# Altium PCB TempdevAmmy1009.PcbDoc (part 4 of 4)
Units mm, origin at the board's own origin, x right, y up, seen from the top; angles counter-clockwise.
Board outline 80.31 x 100.3 mm, 2 copper layers (Top Layer, Bottom Layer); 948 components, 586 nets, 3088 pads, 189 vias.
Unrouted connection lines stored in the file: 1751.
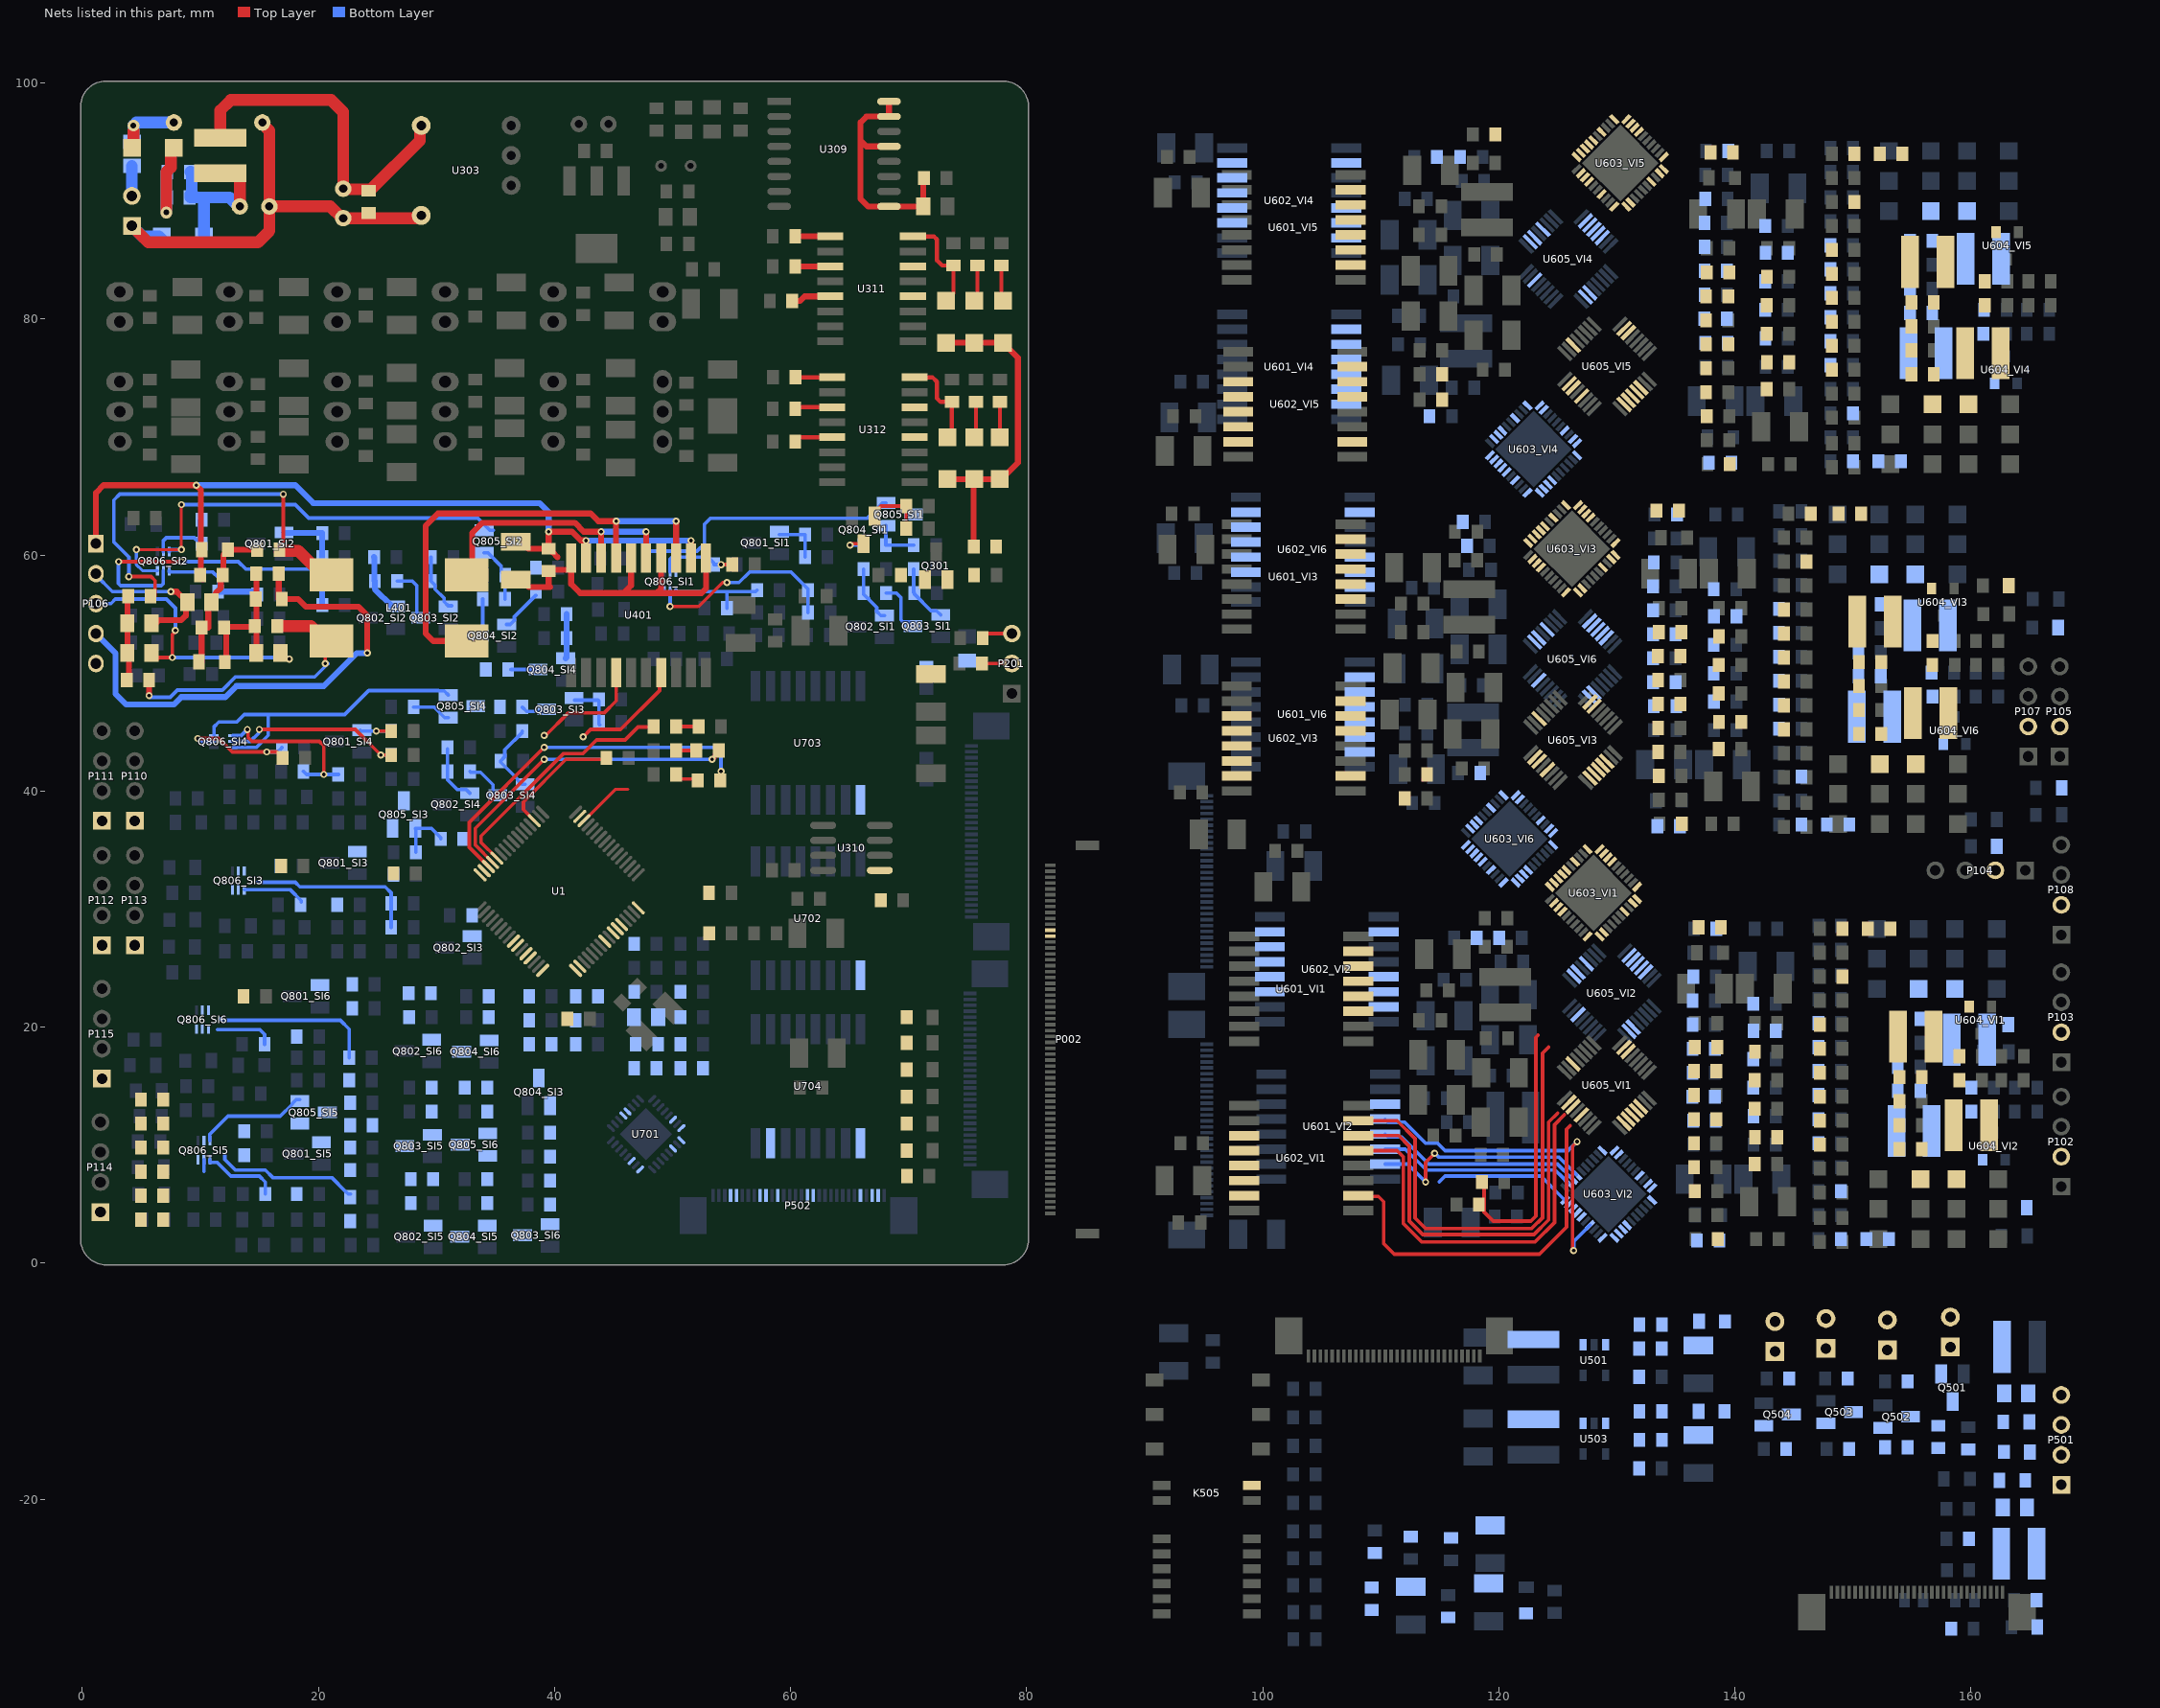
[diagram p4: the nets of this part, all layers, seen from the top]

## Via types
v1: diameter 0.5, hole 0.2, Top Layer to Bottom Layer, 96 vias
v2: diameter 0.6, hole 0.3, Top Layer to Bottom Layer, 79 vias
v3: diameter 0.5, hole 0.3, Top Layer to Bottom Layer, 9 vias
v4: diameter 1, hole 0.5, Top Layer to Bottom Layer, 5 vias

## Nets (pads, with @x,y where several pads share a name; then routed paths per layer and width w, separated by ;. In a path a pad name is that pad's centre, name@x,y a point inside that pad or via, vN(x,y) a via of type N, cw(c..) or ccw(c..) an arc to the next point about the centre after c; other vN are vias at no path point) (continued)
F\A\L\U\T\_VI4: R601_VI4.2 U601_VI4.10 U603_VI4.27
F\A\L\U\T\_VI5: R601_VI5.2 U601_VI5.10 U603_VI5.27
F\A\L\U\T\_VI6: R601_VI6.2 U601_VI6.10 U603_VI6.27
F\A\U\L\T\: D201.1 D202.1 D203.1 D204.1 D205.1 D206.1 R213.2 U1.46 | length 4.8
  Top Layer w0.254: U1.46@42.49,37.489 45.133,40.132 46.228,40.132
GPIO_0_VI1: R613_VI1.1 R616_VI1.2 U603_VI1.17
GPIO_0_VI2: R613_VI2.1 R616_VI2.2 U603_VI2.17
GPIO_0_VI3: R613_VI3.1 R616_VI3.2 U603_VI3.17
GPIO_0_VI4: R613_VI4.1 R616_VI4.2 U603_VI4.17
GPIO_0_VI5: R613_VI5.1 R616_VI5.2 U603_VI5.17
GPIO_0_VI6: R613_VI6.1 R616_VI6.2 U603_VI6.17
GPIO_1_VI1: R617_VI1.1 R618_VI1.2 U603_VI1.18
GPIO_1_VI2: R617_VI2.1 R618_VI2.2 U603_VI2.18
GPIO_1_VI3: R617_VI3.1 R618_VI3.2 U603_VI3.18
GPIO_1_VI4: R617_VI4.1 R618_VI4.2 U603_VI4.18
GPIO_1_VI5: R617_VI5.1 R618_VI5.2 U603_VI5.18
GPIO_1_VI6: R617_VI6.1 R618_VI6.2 U603_VI6.18
GPIO_2_VI1: R619_VI1.1 R620_VI1.2 U603_VI1.19
GPIO_2_VI2: R619_VI2.1 R620_VI2.2 U603_VI2.19
GPIO_2_VI3: R619_VI3.1 R620_VI3.2 U603_VI3.19
GPIO_2_VI4: R619_VI4.1 R620_VI4.2 U603_VI4.19
GPIO_2_VI5: R619_VI5.1 R620_VI5.2 U603_VI5.19
GPIO_2_VI6: R619_VI6.1 R620_VI6.2 U603_VI6.19
HART_CD/IRQ: U1.63 U602_VI1.6 U602_VI2.6 U602_VI3.6 U602_VI4.6 U602_VI5.6 U602_VI6.6
HART_DUPLEX/SDI: R207.1 R209.1 U602_VI1.5 | length 2.1
  Top Layer w0.3: R207.1@50.292,41.402 50.292,41.371 50.642,41.021 52.009,41.021 R209.1@52.136,40.894
HART_DUPLEX/SDI_VI2: U602_VI1.7 U602_VI2.5
HART_DUPLEX/SDI_VI3: U602_VI2.7 U602_VI3.5
HART_DUPLEX/SDI_VI4: U602_VI3.7 U602_VI4.5
HART_DUPLEX/SDI_VI5: U602_VI4.7 U602_VI5.5
HART_DUPLEX/SDI_VI6: U602_VI5.7 U602_VI6.5
HART_OUT/SDO: R208.1 R210.1 U602_VI6.7 | length 1.9
  Top Layer w0.3: R208.1@50.292,43.434 R210.1@52.197,43.434
HART_R\T\S\/SCLK: R206.1 R211.1 U602_VI1.4 U602_VI2.4 U602_VI3.4 U602_VI4.4 U602_VI5.4 U602_VI6.4 | length 1.9
  Top Layer w0.3: R211.1@50.292,45.466 R206.1@52.197,45.466
HART_RXD/C\S\: U1.64 U602_VI1.3 U602_VI2.3 U602_VI3.3 U602_VI4.3 U602_VI5.3 U602_VI6.3
HMI5V: C501.1 C505.1 D502.2 D512.2 L501.1 R502.1 R525.1
IOUT1: Q805_SI1.3 Q805_SI2.3 Q805_SI3.3 Q805_SI4.3 Q805_SI5.3 Q805_SI6.3 R707.1 R708.2
L\D\A\C\_VI1: U601_VI1.11 U603_VI1.20
L\D\A\C\_VI2: U601_VI2.11 U603_VI2.20 | length 11.7
  Bottom Layer w0.3: 114.935,6.858 115.443,7.366 123.555,7.366 U603_VI2.20@125.591,5.329
L\D\A\C\_VI3: U601_VI3.11 U603_VI3.20
L\D\A\C\_VI4: U601_VI4.11 U603_VI4.20
L\D\A\C\_VI5: U601_VI5.11 U603_VI5.20
L\D\A\C\_VI6: U601_VI6.11 U603_VI6.20
MOD_IN_VI1: C622_VI1.2 U605_VI1.21
MOD_IN_VI2: C622_VI2.2 U605_VI2.21
MOD_IN_VI3: C622_VI3.2 U605_VI3.21
MOD_IN_VI4: C622_VI4.2 U605_VI4.21
MOD_IN_VI5: C622_VI5.2 U605_VI5.21
MOD_IN_VI6: C622_VI6.2 U605_VI6.21
MOD_INF_VI1: C623_VI1.2 C624_VI1.1 R628_VI1.1 R629_VI1.2 U605_VI1.22
MOD_INF_VI2: C623_VI2.2 C624_VI2.1 R628_VI2.1 R629_VI2.2 U605_VI2.22
MOD_INF_VI3: C623_VI3.2 C624_VI3.1 R628_VI3.1 R629_VI3.2 U605_VI3.22
MOD_INF_VI4: C623_VI4.2 C624_VI4.1 R628_VI4.1 R629_VI4.2 U605_VI4.22
MOD_INF_VI5: C623_VI5.2 C624_VI5.1 R628_VI5.1 R629_VI5.2 U605_VI5.22
MOD_INF_VI6: C623_VI6.2 C624_VI6.1 R628_VI6.1 R629_VI6.2 U605_VI6.22
MOD_OUT_VI1: C631_VI1.2 C633_VI1.1 U605_VI1.19
MOD_OUT_VI2: C631_VI2.2 C633_VI2.1 U605_VI2.19
MOD_OUT_VI3: C631_VI3.2 C633_VI3.1 U605_VI3.19
MOD_OUT_VI4: C631_VI4.2 C633_VI4.1 U605_VI4.19
MOD_OUT_VI5: C631_VI5.2 C633_VI5.1 U605_VI5.19
MOD_OUT_VI6: C631_VI6.2 C633_VI6.1 U605_VI6.19
MOSI: P502.13 U1.16
NetC201_2: C201.2 U1.17
NetC305_1: C305.1 D302.2 L301.1 R301.1 R302.1 | length 14.6
  Top Layer w1: L301.1@11.684,92.353 13.085,92.353 13.335,92.103 C305.1@13.335,89.535
  Bottom Layer w1: R301.1@9.16,92.456 9.26,92.356 9.26,90.689 9.271,90.678 9.144,90.551 9.144,90.297 10.287,90.297 ; D302.2@10.287,86.741 10.287,90.297 ; C305.1@13.335,89.535 13.227,89.535 12.465,90.297 10.287,90.297
NetC405_2: C405.2 L401.4 R402.1 | length 34.9
  Top Layer w0.3: v2(3.937,58.166) 5.818,58.166 6.157,57.827 C405.2@6.157,56.515 ; R402.1@16.698,60.452 17.018,60.772 v2(17.018,65.151)
  Top Layer w1: R402.1@16.698,60.452 16.698,60.352 17.018,60.352 18.281,60.352 20.213,58.42 L401.4@20.663,58.42
  Bottom Layer w0.3: v2(3.937,58.166) 3.937,59.817 2.667,61.087 2.667,64.643 3.175,65.151 v2(17.018,65.151)
NetC406_1: C406.1 L401.3 R404.2 | length 26.4
  Top Layer w0.3: v2(20.574,50.8) 20.574,52.197 L401.3@21.082,52.705
  Top Layer w0.5: v2(5.649,48.072) C406.1@5.649,49.403 ; L401.3@19.939,53.848 L401.3@21.082,52.705
  Top Layer w1: R404.2@16.505,53.975 19.362,53.975 19.714,53.623 20.632,52.705 L401.3@21.082,52.705
  Bottom Layer w0.3: v2@5.776,47.945 7.432,47.945 8.042,48.555 11.852,48.555 12.954,49.657 19.685,49.657 20.701,50.673 v2@20.825,50.797
NetC501_2: C501.2 R525.2 R526.1 U501.3
NetC509_1: C509.1 P502.26
NetC510_1: C510.1 C511.1 P502.27
NetC512_1: C512.1 P502.3
NetC514_2: C514.2 R529.2 R530.1 U503.3
NetC624_VI1_2: C624_VI1.2 C629_VI1.2 R627_VI1.1
NetC624_VI2_2: C624_VI2.2 C629_VI2.2 R627_VI2.1
NetC624_VI3_2: C624_VI3.2 C629_VI3.2 R627_VI3.1
NetC624_VI4_2: C624_VI4.2 C629_VI4.2 R627_VI4.1
NetC624_VI5_2: C624_VI5.2 C629_VI5.2 R627_VI5.1
NetC624_VI6_2: C624_VI6.2 C629_VI6.2 R627_VI6.1
NetC630_VI1_2: C630_VI1.2 R629_VI1.1 U605_VI1.20
NetC630_VI2_2: C630_VI2.2 R629_VI2.1 U605_VI2.20
NetC630_VI3_2: C630_VI3.2 R629_VI3.1 U605_VI3.20
NetC630_VI4_2: C630_VI4.2 R629_VI4.1 U605_VI4.20
NetC630_VI5_2: C630_VI5.2 R629_VI5.1 U605_VI5.20
NetC630_VI6_2: C630_VI6.2 R629_VI6.1 U605_VI6.20
NetC632_VI1_1: C632_VI1.1 U605_VI1.18
NetC632_VI2_1: C632_VI2.1 U605_VI2.18
NetC632_VI3_1: C632_VI3.1 U605_VI3.18
NetC632_VI4_1: C632_VI4.1 U605_VI4.18
NetC632_VI5_1: C632_VI5.1 U605_VI5.18
NetC632_VI6_1: C632_VI6.1 U605_VI6.18
NetC708_2: C708.2 U701.1
NetC709_2: C709.2 U701.24
NetC802_SI1_2: C802_SI1.2 Q806_SI1.4 R815_SI1.2 | length 8.2
  Bottom Layer w0.3: Q806_SI1.4@50.284,56.947 50.284,56.921 50.309,56.896 57.023,56.896 C802_SI1.2@57.15,57.023 ; R815_SI1.2@54.605,55.499 54.605,56.764
NetC802_SI2_2: C802_SI2.2 Q806_SI2.4 R815_SI2.2 | length 9.3
  Bottom Layer w0.3: Q806_SI2.4@7.358,58.674 7.358,58.572 7.383,58.547 11.049,58.547 11.557,58.039 11.557,57.246 R815_SI2.2@11.557,57.062
  Bottom Layer w0.5: R815_SI2.2@11.741,57.246 11.557,57.062 11.491,56.996 R815_SI2.2@11.491,56.896 C802_SI2.2@14.798,56.896
NetC802_SI3_2: C802_SI3.2 Q806_SI3.4 R815_SI3.2 | length 5.3
  Bottom Layer w0.3: Q806_SI3.4@13.708,31.623 17.621,31.623 18.537,30.707 R815_SI3.2@18.537,30.607
NetC802_SI4_2: C802_SI4.2 Q806_SI4.4 R815_SI4.2 | length 14.4
  Top Layer w0.3: v2(13.97,45.212) 14.027,45.155 14.027,44.52 14.351,44.196 20.066,44.196 20.447,43.815 v2(20.447,41.402)
  Bottom Layer w0.3: Q806_SI4.4@12.738,44.696 13.454,44.696 v2(13.97,45.212) ; R815_SI4.2@18.73,41.656 18.984,41.402 v2(20.447,41.402) C802_SI4.2@21.717,41.402
NetC802_SI5_2: C802_SI5.2 Q806_SI5.4 R815_SI5.2 | length 6.6
  Bottom Layer w0.3: Q806_SI5.4@10.795,8.763 10.795,8.544 10.82,8.519 11.42,8.519 12.573,7.366 14.986,7.366 15.494,6.858 15.494,5.847 R815_SI5.2@15.489,5.842
NetC802_SI6_2: C802_SI6.2 Q806_SI6.4 R815_SI6.2 | length 5
  Bottom Layer w0.3: 11.43,19.774 15.024,19.774 15.428,19.37 R815_SI6.2@15.428,18.542
NetD301_1: D301.1 F301.2 R303.2 | length 6.5
  Top Layer w1: D301.1@4.191,94.488 4.316,94.613 v4@4.316,95.985
  Bottom Layer w1: F301.2@4.191,95.012 4.218,95.012 4.318,95.112 v4(4.318,96.393) 4.572,96.647 R303.2@7.747,96.647
NetD301_2: D301.2 R301.2 R302.2 | length 9.2
  Top Layer w1: v4(7.112,89.027) 7.112,92.456 7.497,92.841 7.497,94.238 D301.2@7.747,94.488
  Bottom Layer w1: v4(7.112,89.027) R301.2@7.112,92.456
NetD303_1: D303.1 R306.2 U311.16 | length 8.8
  Top Layer w0.35: U311.16@70.358,86.995 72.136,86.995 72.39,86.741 72.39,84.963 72.832,84.521 R306.2@73.787,84.521 ; D303.1@73.152,81.534 73.787,82.169 R306.2@73.787,84.521 ; R306.2@73.887,84.521 R306.2@73.787,84.521
NetD303_2: D303.2 D304.2 D305.2 D306.2 D307.2 D308.2 R317.1 | length 27.7
  Top Layer w0.5: D303.2@73.152,77.978 D304.2@75.565,77.978 D305.2@77.978,77.978 79.248,76.708 79.248,67.818 D308.2@77.851,66.421 ; D306.2@73.279,66.421 D307.2@75.565,66.421 ; R317.1@75.504,60.706 75.504,66.36 D307.2@75.565,66.421 ; D308.2@77.724,66.421 D307.2@75.565,66.421
NetD304_1: D304.1 R307.2 U311.14 | length 3.1
  Top Layer w0.35: D304.1@75.565,81.534 75.819,81.788 R307.2@75.819,84.521
NetD305_1: D305.1 R308.2 U311.12 | length 3
  Top Layer w0.35: R308.2@77.851,84.521 77.851,81.661 D305.1@77.978,81.534
NetD306_1: D306.1 R309.2 U312.16 | length 8
  Top Layer w0.35: U312.16@70.5,75.057 72.009,75.057 72.39,74.676 72.39,73.279 72.705,72.964 R309.2@73.66,72.964 73.66,70.358 D306.1@73.279,69.977
NetD307_1: D307.1 R310.2 U312.14 | length 3
  Top Layer w0.35: D307.1@75.565,69.977 75.692,70.104 R310.2@75.692,72.964
NetD308_1: D308.1 R311.2 U312.12 | length 3
  Top Layer w0.35: D308.1@77.724,69.977 R311.2@77.724,72.964
NetD401_1: D401.1 D402.2 PTC401.2 R401.2 R402.2 R403.2 | length 12.5
  Top Layer w0.5: D402.2@10.094,50.927 R403.2@10.094,53.848 ; 10.668,53.848 10.668,55.737 PTC401.2@10.938,56.007 ; PTC401.2@10.836,56.109 11.288,56.561 11.288,56.761 11.725,57.198 R401.2@11.725,58.293 ; R401.2@11.938,58.293 11.938,59.971 12.319,60.352 D401.1@12.319,60.452 R402.2@14.798,60.452
NetD402_1: D402.1 D403.2 PTC402.2 R403.1 R404.1 R405.2 | length 12.5
  Top Layer w0.5: R403.1@11.999,53.848 12.063,53.911 R403.1@12.192,53.911 ; D402.1@12.192,51.308 R403.1@12.192,53.911 ; R403.1@12.192,53.917 R403.1@12.192,53.911 ; PTC402.2@14.382,51.308 14.732,51.658 PTC402.2@14.732,51.689 R405.2@14.732,58.42 ; R404.1@14.605,53.975 14.541,53.911 R403.1@12.192,53.911
NetD501_2: D501.2 L501.2 R501.2
NetD506_1: D506.1 L502.2 R506.2
NetD508_1: D508.1 R517.2
NetD508_2: D508.2 Q501.1
NetD509_1: D509.1 R519.2
NetD509_2: D509.2 Q502.1
NetD510_1: D510.1 R521.2
NetD510_2: D510.2 Q503.1
NetD511_1: D511.1 R523.2
NetD511_2: D511.2 Q504.1
NetD512_1: D512.1 L503.2 U501.1
NetD513_1: D513.1 R527.1
NetD514_1: D514.1 L504.2 U503.1
NetL401_1: L401.1 U401.15 U401.18 | length 23.6
  Top Layer w0.5: L401.1@32.55,58.316 33.02,58.786 33.02,61.872 33.874,62.726 41.715,62.726 42.465,61.976 v2(43.942,61.976) U401.18@43.942,59.738 ; U401.15@47.752,59.738 v2(47.752,61.976)
  Bottom Layer w0.5: v2(43.942,61.976) v2(47.752,61.976)
NetL401_2: L401.2 U401.13 U401.17 | length 41
  Top Layer w0.5: L401.2@32.55,52.705 29.718,52.705 29.083,53.34 29.083,62.484 30.109,63.51 43.056,63.51 43.701,62.865 v2(45.212,62.865) U401.17@45.212,59.738 ; U401.13@50.292,59.738 v2(50.292,62.865)
  Bottom Layer w0.5: v2(45.212,62.865) v2(50.292,62.865)
NetNTC701_1: NTC701.1 R703.2 R704.2
NetNTC701_2: NTC701.2 R701.2 R702.2
NetP002_48: P002.48 P002.49
NetP502_5: P502.5 R527.2
NetP502_22: P502.22 R528.2
NetQ301_2: Q301.2 R317.2 R318.1
NetQ501_2: Q501.2 R518.2
NetQ502_2: Q502.2 R520.2
NetQ503_2: Q503.2 R522.2
NetQ504_2: Q504.2 R524.2
NetQ801_SI1_2: Q801_SI1.2 R802_SI1.1 R803_SI1.1 | length 4.1
  Bottom Layer w0.3: Q801_SI1.2@59.055,61.727 61.209,61.727 R803_SI1.1@61.214,61.722 R802_SI1.1@61.214,59.817
NetQ801_SI2_2: Q801_SI2.2 R802_SI2.1 R803_SI2.1 | length 5.3
  Bottom Layer w0.5: Q801_SI2.2@17.067,61.915 17.1,61.882 20.287,61.882 R803_SI2.1@20.32,61.849 R802_SI2.1@20.32,59.817
NetQ801_SI3_2: Q801_SI3.2 R802_SI3.1 R803_SI3.1
NetQ801_SI4_2: Q801_SI4.2 R802_SI4.1 R803_SI4.1 | length 3.9
  Top Layer w0.3: v2(24.892,45.085) R802_SI4.1@26.162,45.085
  Bottom Layer w0.3: Q801_SI4.2@23.544,45.151 23.61,45.085 v2(24.892,45.085) R803_SI4.1@26.162,45.085
NetQ801_SI5_2: Q801_SI5.2 R802_SI5.1 R803_SI5.1
NetQ801_SI6_2: Q801_SI6.2 R802_SI6.1 R803_SI6.1
NetQ802_SI1_2: Q802_SI1.2 R801_SI1.1 R804_SI1.1 | length 4.9
  Bottom Layer w0.3: R801_SI1.1@66.172,58.801 R804_SI1.1@66.172,56.769 66.172,56.669 R804_SI1.1@66.522,56.319 ; R804_SI1.1@66.622,56.319 R804_SI1.1@66.522,56.319 ; Q802_SI1.2@67.945,54.864 67.645,54.864 67.295,55.214 67.295,55.546 R804_SI1.1@66.522,56.319
NetQ802_SI2_2: Q802_SI2.2 R801_SI2.1 R804_SI2.1 | length 5.1
  Bottom Layer w0.5: R801_SI2.1@24.704,59.817 24.737,59.784 24.737,57.818 R804_SI2.1@24.77,57.785 24.765,57.78 24.765,57.109 26.243,55.631 Q802_SI2.2@26.543,55.631
NetQ802_SI3_2: Q802_SI3.2 R801_SI3.1 R804_SI3.1
NetQ802_SI4_2: Q802_SI4.2 R801_SI4.1 R804_SI4.1 | length 5
  Bottom Layer w0.3: R801_SI4.1@30.927,43.561 30.927,40.955 31.772,40.11 32.522,40.11 Q802_SI4.2@32.815,39.817
NetQ802_SI5_2: Q802_SI5.2 R801_SI5.1 R804_SI5.1
NetQ802_SI6_2: Q802_SI6.2 R801_SI6.1 R804_SI6.1
NetQ803_SI1_1: Q803_SI1.1 R804_SI1.2 | length 4.6
  Bottom Layer w0.3: R804_SI1.2@68.072,56.769 68.961,56.769 69.342,56.388 69.342,54.496 69.518,54.32 70.02,54.32 Q803_SI1.1@70.37,53.97
NetQ803_SI1_2: Q803_SI1.2 R805_SI1.1 R806_SI1.1 | length 5.1
  Bottom Layer w0.3: R805_SI1.1@70.424,58.801 70.424,56.835 R806_SI1.1@70.49,56.769 70.49,56.669 71.884,55.275 72.355,55.275 Q803_SI1.2@72.705,54.925
NetQ803_SI2_1: Q803_SI2.1 R804_SI2.2 | length 4.9
  Bottom Layer w0.3: R804_SI2.2@26.67,57.785 27.94,57.785 28.321,57.404 28.321,55.087 28.671,54.737 Q803_SI2.1@28.956,54.737
NetQ803_SI2_2: Q803_SI2.2 R805_SI2.1 R806_SI2.1 | length 5
  Bottom Layer w0.3: R805_SI2.1@29.53,59.817 R806_SI2.1@29.53,57.785 29.88,57.435 29.88,57.103 30.641,56.342 30.641,56.042 30.991,55.692 Q803_SI2.2@31.291,55.692
NetQ803_SI3_1: Q803_SI3.1 R804_SI3.2 | length 2.3
  Bottom Layer w0.3: R804_SI3.2@37.272,47.117 37.272,47.086 37.622,46.736 Q803_SI3.1@39.37,46.736
NetQ803_SI3_2: Q803_SI3.2 R805_SI3.1 R806_SI3.1 | length 4.1
  Bottom Layer w0.3: Q803_SI3.2@41.705,47.691 43.688,47.691 43.754,47.625 43.754,45.654 R806_SI3.1@43.815,45.593
NetQ803_SI4_1: Q803_SI4.1 R804_SI4.2 | length 3.5
  Bottom Layer w0.3: R804_SI4.2@32.827,41.656 32.9,41.583 33.728,41.583 34.786,40.525 34.786,39.974 35.136,39.624 Q803_SI4.1@35.179,39.624
NetQ803_SI4_2: Q803_SI4.2 R805_SI4.1 R806_SI4.1 | length 6.3
  Bottom Layer w0.3: R805_SI4.1@37.272,45.085 37.272,44.985 35.783,43.496 35.783,42.895 R806_SI4.1@35.433,42.545 35.433,42.445 36.864,41.014 36.864,40.929 37.214,40.579 Q803_SI4.2@37.514,40.579
NetQ803_SI5_1: Q803_SI5.1 R804_SI5.2
NetQ803_SI5_2: Q803_SI5.2 R805_SI5.1 R806_SI5.1
NetQ803_SI6_1: Q803_SI6.1 R804_SI6.2
NetQ803_SI6_2: Q803_SI6.2 R805_SI6.1 R806_SI6.1
NetQ804_SI1_1: Q804_SI1.1 R807_SI1.1 | length 2.3
  Top Layer w0.3: v2(65.024,60.833) 65.105,60.833 65.232,60.96 Q804_SI1.1@66.167,60.96
  Bottom Layer w0.3: v2(65.024,60.833) R807_SI1.1@66.167,60.833
NetQ804_SI1_2: Q804_SI1.2 R808_SI1.1 R810_SI1.1 | length 5.1
  Top Layer w0.3: Q804_SI1.2@67.122,63.295 67.122,63.595 67.662,64.135 R808_SI1.1@69.789,64.135 R810_SI1.1@69.789,62.23
NetQ804_SI2_1: Q804_SI2.1 R807_SI2.1 | length 2.7
  Bottom Layer w0.3: Q804_SI2.1@33.909,53.594 R807_SI2.1@33.909,56.261
NetQ804_SI2_2: Q804_SI2.2 R808_SI2.1 R810_SI2.1 | length 3.7
  Bottom Layer w0.3: Q804_SI2.2@35.941,54.107 36.241,54.107 36.591,54.457 36.591,54.757 R810_SI2.1@38.415,56.581
NetQ804_SI3_1: Q804_SI3.1 R807_SI3.1
NetQ804_SI3_2: Q804_SI3.2 R808_SI3.1 R810_SI3.1
NetQ804_SI4_1: Q804_SI4.1 R807_SI4.1 | length 2.3
  Bottom Layer w0.35: R807_SI4.1@36.322,50.292 Q804_SI4.1@38.608,50.292
NetQ804_SI4_2: Q804_SI4.2 R808_SI4.1 R810_SI4.1 | length 3.8
  Bottom Layer w0.5: Q804_SI4.2@40.943,51.247 Q804_SI4.2@41.016,51.32 ; R810_SI4.1@41.016,54.991 R808_SI4.1@41.016,52.959 Q804_SI4.2@41.016,51.32 ; Q804_SI4.2@41.021,51.325 Q804_SI4.2@41.016,51.32
NetQ804_SI5_1: Q804_SI5.1 R807_SI5.1
NetQ804_SI5_2: Q804_SI5.2 R808_SI5.1 R810_SI5.1
NetQ804_SI6_1: Q804_SI6.1 R807_SI6.1
NetQ804_SI6_2: Q804_SI6.2 R808_SI6.1 R810_SI6.1
NetQ805_SI1_1: Q805_SI1.1 R807_SI1.2 R809_SI1.1 | length 4
  Bottom Layer w0.3: Q805_SI1.1@68.072,62.484 68.067,62.479 R807_SI1.2@68.067,60.833 R809_SI1.1@70.424,60.833
NetQ805_SI1_2: Q805_SI1.2 Q806_SI1.3 Q806_SI1.6 | length 22.8
  Bottom Layer w0.3: 48.006,60.325 52.07,60.325 52.705,60.96 52.705,62.611 53.213,63.119 66.497,63.119 67.772,64.394 Q805_SI1.2@68.072,64.394 ; Q806_SI1.6@49.259,57.023 49.284,56.998 Q806_SI1.6@49.284,56.947
NetQ805_SI2_1: Q805_SI2.1 R807_SI2.2 R809_SI2.1 | length 4.8
  Bottom Layer w0.3: Q805_SI2.1@34.036,60.193 34.336,60.193 35.464,59.065 35.464,58.643 R809_SI2.1@35.814,58.293 35.809,58.288 R807_SI2.2@35.809,56.261
NetQ805_SI2_2: Q805_SI2.2 Q806_SI2.3 Q806_SI2.6 | length 39
  Top Layer w0.254: v2(4.572,60.452) v2(8.382,60.452) v2(8.382,64.262)
  Bottom Layer w0.254: v2(4.572,60.452) 4.572,59.182 5.08,58.674 Q806_SI2.6@6.358,58.674
  Bottom Layer w0.3: Q806_SI2.3@7.358,60.274 7.358,60.427 7.383,60.452 8.047,60.452 ; v2(8.382,64.262) 18.034,64.262 19.172,63.124 33.477,63.124 34.498,62.103 Q805_SI2.2@34.798,62.103
NetQ805_SI3_1: Q805_SI3.1 R807_SI3.2 R809_SI3.1 | length 4.6
  Bottom Layer w0.3: R809_SI3.1@28.255,34.798 28.255,36.769 Q805_SI3.1@28.194,36.83 29.564,36.83 30.353,36.041 R807_SI3.2@30.353,35.941